# Allegro board hash851-X26_V1_0_180425.brd (continued)
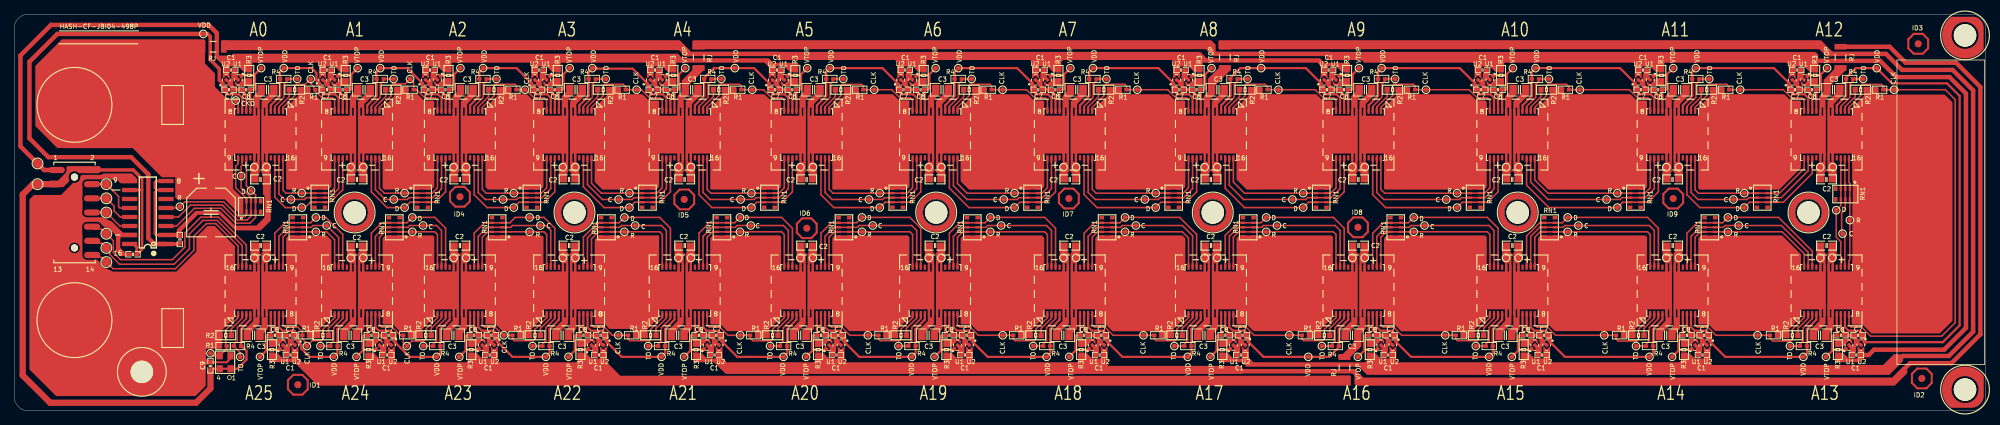
[diagram p0: board, top side]
## Routing (per net, layer and track width the routed paths; a pad name or vN(x,y) marks a point on that pad's centre or on a via; arc(x,y) is an arc through that point) (continued)
CI_A13: length 25.2
  TOP w0.229: 236.43,20.78 236.43,24.64 237.7,25.91 RN1_A14.3 RN1_A14.8 241,25.91 241.25,26.16 C_A14.1 249.18,26.16 252.95,22.38 252.95,20.78
  TOP w0.325: 236.43,20.78 A8_A14.10 ; 252.95,20.78 A8_A13.15
CI_A14: length 27.9
  TOP w0.229: 213.83,20.78 213.83,24.64 215.1,25.91 RN1_A15.3 RN1_A15.8 218.4,25.91 218.65,26.16 C_A15.1 230.55,26.16 231.25,25.46 231.25,20.78
  TOP w0.325: 213.83,20.78 A8_A15.10 ; A8_A14.15 231.25,20.78
CI_A15: length 27
  TOP w0.229: 208.65,20.78 208.65,25.46 207.95,26.16 C_A16.1 196.96,26.16 196.7,25.91 RN1_A16.8 RN1_A16.3 193.4,25.91 192.13,24.64 192.13,20.78
  TOP w0.325: 192.13,20.78 A8_A16.10 ; 208.65,20.78 A8_A15.15
CI_A16: length 26.1
  TOP w0.229: 171.33,20.78 171.33,24.64 172.6,25.91 RN1_A17.3 RN1_A17.8 175.9,25.91 176.15,26.16 C_A17.1 186.25,26.16 186.95,25.46 186.95,20.78
  TOP w0.325: 171.33,20.78 A8_A17.10 ; 186.95,20.78 A8_A16.15
CI_A17: length 24.8
  TOP w0.229: 166.15,20.78 166.15,24.72 164.71,26.16 C_A18.1 156.25,26.16 156,25.91 RN1_A18.8 RN1_A18.3 152.7,25.91 151.43,24.64 151.43,20.78
  TOP w0.325: 151.43,20.78 A8_A18.10 ; A8_A17.15 166.15,20.78
CI_A18: length 24.3
  TOP w0.229: 146.25,20.78 146.25,25.46 145.55,26.16 C_A19.1 137.25,26.16 137,25.91 RN1_A19.8 RN1_A19.3 133.7,25.91 132.43,24.64 132.43,20.78
  TOP w0.325: A8_A18.15 146.25,20.78 ; 132.43,20.78 A8_A19.10
CI_A19: length 23.4
  TOP w0.229: 127.25,20.78 127.25,25.46 126.55,26.16 C_A20.1 119.15,26.16 118.9,25.91 RN1_A20.8 RN1_A20.3 115.6,25.91 114.33,24.64 114.33,20.78
  TOP w0.325: 127.25,20.78 A8_A19.15 ; 114.33,20.78 A8_A20.10
CI_A20: length 22.5
  TOP w0.229: 109.15,20.78 109.15,25.46 108.45,26.16 C_A21.1 101.96,26.16 101.7,25.91 RN1_A21.8 RN1_A21.3 98.4,25.91 97.13,24.64 97.13,20.78
  TOP w0.325: 109.15,20.78 A8_A20.15 ; 97.13,20.78 A8_A21.10
CI_A21: length 21.5
  TOP w0.229: 80.83,20.78 80.83,24.43 82.31,25.91 RN1_A22.3 RN1_A22.8 85.4,25.91 85.65,26.16 C_A22.1 91.25,26.16 91.95,25.46 91.95,20.78
  TOP w0.325: A8_A21.15 91.95,20.78 ; 80.83,20.78 A8_A22.10
CI_A22: length 20.7
  TOP w0.229: 75.65,20.78 75.65,25.46 74.95,26.16 C_A23.1 70.25,26.16 70,25.91 RN1_A23.8 RN1_A23.3 66.7,25.91 65.43,24.64 65.43,20.78
  TOP w0.325: A8_A22.15 75.65,20.78 ; 65.43,20.78 A8_A23.10
CI_A23: length 19.8
  TOP w0.229: 50.93,20.78 50.93,24.64 52.2,25.91 RN1_A24.3 RN1_A24.8 55.5,25.91 55.75,26.16 C_A24.1 59.55,26.16 60.25,25.46 60.25,20.78
  TOP w0.325: 50.93,20.78 A8_A24.10 ; 60.25,20.78 A8_A23.15
CI_A24: length 18.3
  TOP w0.229: 45.75,20.78 45.75,24.47 C_A25.1 42.15,26.16 41.9,25.91 RN1_A25.8 RN1_A25.3 38.6,25.91 37.33,24.64 37.33,20.78
  TOP w0.325: 37.33,20.78 A8_A25.10 ; 45.75,20.78 A8_A24.15
CKI_A0: length 13.8
  TOP w0.229: 37.9,42.72 37.9,42.84 39.55,44.49 39.55,45.83 39.8,46.08 41.04,46.08 CLK_A1.1 41.82,46.18 42.24,45.76 42.24,45.55 R1_A0.2 42.45,45.13 43.4,44.18 44.85,44.18 45.18,43.85 45.18,42.81
  TOP w0.325: 37.9,42.72 A8_A0.1 ; A8_A1.8 45.18,42.81
CKI_A1: length 14.7
  TOP w0.229: 51.5,42.72 51.5,42.84 53.15,44.49 53.15,45.92 53.39,46.16 55.12,46.16 CLK_A2.1 56.33,46.35 R1_A1.2 56.75,45.33 57.9,44.18 59.35,44.18 59.68,43.85 59.68,42.81
  TOP w0.325: 51.5,42.72 A8_A1.1 ; A8_A2.8 59.68,42.81
CKI_A2: length 14.7
  TOP w0.229: 75.08,42.81 75.08,43.85 74.75,44.18 73.3,44.18 72.15,45.33 CLK_A3.1 R1_A2.2 70.83,45.85 70.57,46.1 67.81,46.1 67.65,45.95 67.65,44.49 66,42.84 66,42.72
  TOP w0.325: A8_A3.8 75.08,42.81 ; A8_A2.1 66,42.72
CKI_A3: length 15.4
  TOP w0.229: 91.38,42.81 91.38,43.85 91.05,44.18 89.6,44.18 88.45,45.33 CLK_A4.1 R1_A3.2 86.23,45.72 85.85,46.1 83.3,46.1 83.05,45.85 83.05,44.49 81.4,42.84 81.4,42.72
  TOP w0.325: A8_A3.1 81.4,42.72 ; A8_A4.8 91.38,42.81
CKI_A4: length 16.4
  TOP w0.229: 97.71,42.72 97.71,42.84 99.35,44.49 99.35,45.9 99.56,46.1 102.28,46.1 102.53,45.85 R1_A4.2 CLK_A5.1 105.65,45.33 106.8,44.18 108.25,44.18 108.58,43.85 108.58,42.81
  TOP w0.325: A8_A5.8 108.58,42.81 ; A8_A4.1 97.71,42.72
CKI_A5: length 17.3
  TOP w0.229: 126.68,42.81 126.68,43.85 126.35,44.18 124.9,44.18 123.75,45.33 CLK_A6.1 R1_A5.2 119.73,45.85 119.49,46.08 116.8,46.08 116.55,45.83 116.55,44.49 114.91,42.84 114.91,42.72
  TOP w0.325: A8_A6.8 126.68,42.81 ; A8_A5.1 114.91,42.72
CKI_A6: length 18.2
  TOP w0.229: 133.01,42.72 133.01,42.84 134.65,44.49 134.65,45.89 134.86,46.1 137.57,46.1 137.83,45.85 R1_A6.2 CLK_A7.1 142.75,45.33 143.9,44.18 145.35,44.18 145.68,43.85 145.68,42.81
  TOP w0.325: A8_A7.8 145.68,42.81 ; A8_A6.1 133.01,42.72
CKI_A7: length 19.1
  TOP w0.229: 165.58,42.81 165.58,43.85 165.25,44.18 163.8,44.18 162.65,45.33 CLK_A8.1 R1_A7.2 156.83,45.85 156.57,46.1 153.91,46.1 153.65,45.84 153.65,44.49 152.01,42.84 152.01,42.72
  TOP w0.325: A8_A8.8 165.58,42.81 ; 152.01,42.72 A8_A7.1
CKI_A8: length 20
  TOP w0.229: 171.9,42.72 171.9,42.84 173.55,44.49 173.55,45.93 173.73,46.1 176.35,46.1 176.73,45.72 R1_A8.2 CLK_A9.1 183.45,45.33 184.6,44.18 186.05,44.18 186.38,43.85 186.38,42.81
  TOP w0.325: A8_A9.8 186.38,42.81 ; 171.9,42.72 A8_A8.1
CKI_A9: length 20.9
  TOP w0.229: 208.08,42.81 208.08,43.85 207.75,44.18 206.3,44.18 205.15,45.33 CLK_A10.1 R1_A9.2 197.53,45.85 197.28,46.1 194.55,46.1 194.35,45.9 194.35,44.49 192.71,42.84 192.71,42.72
  TOP w0.325: 192.71,42.72 A8_A9.1 ; A8_A10.8 208.08,42.81
CKI_A10: length 21.7
  TOP w0.229: 214.4,42.72 214.4,42.84 216.05,44.49 216.05,45.88 216.27,46.1 218.85,46.1 219.23,45.72 R1_A10.2 CLK_A11.1 227.75,45.33 228.9,44.18 230.35,44.18 230.68,43.85 230.68,42.81
  TOP w0.325: A8_A10.1 214.4,42.72 ; A8_A11.8 230.68,42.81
CKI_A11: length 20.8
  TOP w0.229: 252.38,42.81 252.38,43.85 252.05,44.18 250.6,44.18 249.45,45.33 CLK_A12.1 R1_A11.2 241.83,45.72 241.45,46.1 238.88,46.1 238.65,45.88 238.65,44.49 237,42.84 237,42.72
  TOP w0.325: A8_A12.8 252.38,42.81 ; A8_A11.1 237,42.72
CKI_A12: length 68.3
  TOP w0.229: 258.7,42.72 258.7,42.84 260.4,44.54 260.4,45.88 260.6,46.08 263.29,46.08 263.53,45.85 R1_A12.2 CLK_A13.1 272.29,45.33 273.68,43.94 273.68,12.45 271.78,10.55 261.76,10.55 260.49,11.82 259.03,11.82 258.7,12.15 258.7,13.19
  TOP w0.325: 258.7,42.72 A8_A12.1 ; 258.7,13.19 A8_A13.8
CKI_A13: length 20.9
  TOP w0.229: 252.38,13.28 252.38,13.16 250.73,11.51 250.73,10.11 250.48,9.86 247.95,9.86 247.55,10.25 R1_A13.2 CLK_A14.1 239.94,10.67 238.79,11.82 237.33,11.82 237,12.15 237,13.19
  TOP w0.325: A8_A14.8 237,13.19 ; 252.38,13.28 A8_A13.1
CKI_A14: length 21.9
  TOP w0.229: 214.4,13.19 214.4,12.15 214.73,11.82 216.19,11.82 217.34,10.67 CLK_A15.1 R1_A14.2 225.85,10.15 226.15,9.86 228.78,9.86 229.03,10.11 229.03,11.51 230.68,13.16 230.68,13.28
  TOP w0.325: A8_A15.8 214.4,13.19 ; 230.68,13.28 A8_A14.1
CKI_A15: length 21
  TOP w0.229: 208.08,13.28 208.08,13.16 206.43,11.51 206.43,10.03 206.3,9.91 203.5,9.91 203.25,10.15 R1_A15.2 CLK_A16.1 195.64,10.67 194.49,11.82 193.03,11.82 192.7,12.15 192.7,13.19
  TOP w0.325: 208.08,13.28 A8_A15.1 ; A8_A16.8 192.7,13.19
CKI_A16: length 20
  TOP w0.229: 171.9,13.19 171.9,12.15 172.23,11.82 173.69,11.82 174.84,10.67 CLK_A17.1 R1_A16.2 181.56,10.15 181.79,9.92 184.48,9.92 184.73,10.17 184.73,11.51 186.38,13.16 186.38,13.28
  TOP w0.325: A8_A16.1 186.38,13.28 ; A8_A17.8 171.9,13.19
CKI_A17: length 19.1
  TOP w0.229: 152,13.19 152,12.15 152.33,11.82 153.79,11.82 154.94,10.67 CLK_A18.1 R1_A17.2 160.75,10.15 160.99,9.92 163.68,9.92 163.93,10.17 163.93,11.51 165.58,13.16 165.58,13.28
  TOP w0.325: 165.58,13.28 A8_A17.1 ; A8_A18.8 152,13.19
CKI_A18: length 18.2
  TOP w0.229: 145.68,13.28 145.68,13.16 144.06,11.54 144.06,10.13 143.83,9.91 141.1,9.91 140.85,10.15 R1_A18.2 CLK_A19.1 135.94,10.67 134.79,11.82 133.33,11.82 133,12.15 133,13.19
  TOP w0.325: 145.68,13.28 A8_A18.1 ; A8_A19.8 133,13.19
CKI_A19: length 17.3
  TOP w0.229: 114.9,13.19 114.9,12.15 115.23,11.82 116.69,11.82 117.84,10.67 CLK_A20.1 R1_A19.2 121.85,10.15 122.1,9.91 124.85,9.91 125.03,10.08 125.03,11.51 126.68,13.16 126.68,13.28
  TOP w0.325: 126.68,13.28 A8_A19.1 ; A8_A20.8 114.9,13.19
CKI_A20: length 16.3
  TOP w0.229: 108.58,13.28 108.58,13.16 106.93,11.51 106.93,10.13 106.68,9.88 104.16,9.88 103.75,10.28 R1_A20.2 CLK_A21.1 100.64,10.67 99.49,11.82 98.03,11.82 97.7,12.15 97.7,13.19
  TOP w0.325: A8_A21.8 97.7,13.19 ; 108.58,13.28 A8_A20.1
CKI_A21: length 15.6
  TOP w0.229: 81.4,13.19 81.4,12.15 81.73,11.82 83.19,11.82 84.34,10.67 CLK_A22.1 R1_A21.2 86.56,10.13 86.78,9.91 89.6,9.91 89.73,10.03 89.73,11.51 91.38,13.16 91.38,13.28
  TOP w0.325: A8_A22.8 81.4,13.19 ; 91.38,13.28 A8_A21.1
CKI_A22: length 14.6
  TOP w0.229: 75.08,13.28 75.08,13.16 73.43,11.51 73.43,10.16 73.18,9.91 70.5,9.91 70.25,10.15 R1_A22.2 CLK_A23.1 68.94,10.67 67.79,11.82 66.33,11.82 66,12.15 66,13.19
  TOP w0.325: 75.08,13.28 A8_A22.1 ; A8_A23.8 66,13.19
CKI_A23: length 14.6
  TOP w0.229: 59.68,13.28 59.68,13.16 58.03,11.51 58.03,10.17 57.7,9.84 56.06,9.84 CLK_A24.1 54.85,9.65 R1_A23.2 54.44,10.67 53.29,11.82 51.83,11.82 51.5,12.15 51.5,13.19
  TOP w0.325: 59.68,13.28 A8_A23.1 ; A8_A24.8 51.5,13.19
CKI_A24: length 13.9
  TOP w0.229: 37.9,13.19 37.9,12.15 38.23,11.82 39.99,11.82 40.63,11.18 R1_A24.2 40.63,10.15 41.01,9.77 41.01,9.4 CLK_A25.1 42.04,9.92 43.28,9.92 43.31,9.94 43.31,9.94 43.53,10.16 43.53,11.51 45.18,13.16 45.18,13.28
  TOP w0.325: A8_A24.1 45.18,13.28 ; A8_A25.8 37.9,13.19
CKI_A25: length 8.6
  TOP w0.229: CLK.1 28.03,7.77 OSC.3 29.96,8.76 R1_A25.2 29.84,9.27 29.84,11.42 31.58,13.16 31.58,13.28
  TOP w0.325: A8_A25.1 31.58,13.28
CKO_A0: length 1.7
  TOP w0.229: 31.58,42.81 31.58,43.47 CLK_A0.1
  TOP w0.325: 31.58,42.81 A8_A0.8
CO: length 6.8
  TOP w0.229: U3.13 14.98,27.36 14.98,27.35 14.09,28.24 14.09,28.91 CO.1 J1.6
CO_A0: length 22.7
  TOP w0.229: U3.4 23.16,27.36 24.84,29.04 29.35,29.04 31.45,26.95 32.85,26.95 33.39,27.49 RN1_A0.8 RN1_A0.3 33.39,30.1 31.99,31.5 C_A0.1 31.99,34.51 32.15,34.67 32.15,35.22
  TOP w0.325: A8_A0.10 32.15,35.22
DI: length 33.1
  TOP w0.229: J1.10 11.3,25.67 12.33,25.67 DI.1 13.99,24.01 13.99,22.33 14.97,21.34 22.3,21.34 24.07,23.11 24.07,25.1 26.32,27.34 28.81,27.34 32.73,23.42 32.73,20.78
  TOP w0.325: A8_A25.14 32.73,20.78
DI_A0: length 21.3
  TOP w0.229: 36.75,35.22 36.75,30.17 38.22,28.7 D_A1.1 41.02,28.7 41.77,29.45 RN1_A1.9 RN1_A1.2 44.56,29.45 46.33,31.23 46.33,35.22
  TOP w0.325: A8_A0.14 36.75,35.22 ; A8_A1.11 46.33,35.22
DI_A1: length 21.9
  TOP w0.229: 50.35,35.22 50.35,30.91 52.57,28.7 D_A2.1 55.8,29.45 RN1_A2.9 RN1_A2.2 59.36,29.45 60.83,30.92 60.83,35.22
  TOP w0.325: 60.83,35.22 A8_A2.11 ; 50.35,35.22 A8_A1.14
DI_A2: length 23.1
  TOP w0.229: 76.23,35.22 76.23,30.92 74.76,29.45 RN1_A3.2 RN1_A3.9 71.2,29.45 D_A3.1 66.67,28.7 64.85,30.51 64.85,35.22
  TOP w0.325: 64.85,35.22 A8_A2.14 ; 76.23,35.22 A8_A3.11
DI_A3: length 23.3
  TOP w0.229: 92.53,35.22 92.53,30.92 91.06,29.45 RN1_A4.2 RN1_A4.9 87.51,29.45 D_A4.1 83.18,28.7 80.25,31.62 80.25,35.22
  TOP w0.325: 92.53,35.22 A8_A4.11 ; 80.25,35.22 A8_A3.14
DI_A4: length 24.9
  TOP w0.229: 109.73,35.22 109.73,30.92 108.26,29.45 RN1_A5.2 RN1_A5.9 104.7,29.45 D_A5.1 98.37,28.7 96.55,30.51 96.55,35.22
  TOP w0.325: 109.73,35.22 A8_A5.11 ; A8_A4.14 96.55,35.22
DI_A5: length 25.8
  TOP w0.229: 127.83,35.22 127.83,30.92 126.36,29.45 RN1_A6.2 RN1_A6.9 122.8,29.45 D_A6.1 115.57,28.7 113.75,30.51 113.75,35.22
  TOP w0.325: 127.83,35.22 A8_A6.11 ; A8_A5.14 113.75,35.22
DI_A6: length 26.1
  TOP w0.229: 131.85,35.22 131.85,31.45 134.61,28.7 D_A7.1 141.8,29.45 RN1_A7.9 RN1_A7.2 145.36,29.45 146.83,30.92 146.83,35.22
  TOP w0.325: A8_A6.14 131.85,35.22 ; 146.83,35.22 A8_A7.11
DI_A7: length 27.6
  TOP w0.229: 166.73,35.22 166.73,30.92 165.26,29.45 RN1_A8.2 RN1_A8.9 161.7,29.45 D_A8.1 152.67,28.7 150.85,30.51 150.85,35.22
  TOP w0.325: 166.73,35.22 A8_A8.11 ; 150.85,35.22 A8_A7.14
DI_A8: length 27.9
  TOP w0.229: 187.53,35.22 187.53,30.92 186.06,29.45 RN1_A9.2 RN1_A9.9 182.51,29.45 D_A9.1 173.47,28.7 170.75,31.41 170.75,35.22
  TOP w0.325: 170.75,35.22 A8_A8.14 ; 187.53,35.22 A8_A9.11
DI_A9: length 29.4
  TOP w0.229: 209.23,35.22 209.23,30.92 207.76,29.45 RN1_A10.2 RN1_A10.9 204.2,29.45 D_A10.1 193.37,28.7 191.55,30.51 191.55,35.22
  TOP w0.325: A8_A9.14 191.55,35.22 ; 209.23,35.22 A8_A10.11
DI_A10: length 29.5
  TOP w0.229: 231.83,35.22 231.83,30.92 230.36,29.45 RN1_A11.2 RN1_A11.9 226.8,29.45 D_A11.1 216.4,28.7 213.25,31.84 213.25,35.22
  TOP w0.325: 231.83,35.22 A8_A11.11 ; 213.25,35.22 A8_A10.14
DI_A11: length 27.8
  TOP w0.229: 235.85,35.22 235.85,30.51 237.67,28.7 D_A12.1 244.69,29.45 RN1_A12.9 RN1_A12.2 249.45,29.45 253.53,33.53 253.53,35.22
  TOP w0.325: A8_A12.11 253.53,35.22 ; 235.85,35.22 A8_A11.14
DI_A12: length 16
  TOP w0.229: 257.55,35.22 RN1_A13.9 RN1_A13.2 257.55,28.96 D_A13.1 256.91,24.51 257.55,23.87 257.55,20.78
  TOP w0.325: A8_A13.11 257.55,20.78 ; A8_A12.14 257.55,35.22
DI_A13: length 27.7
  TOP w0.229: 253.53,20.78 253.53,22.56 248.78,27.3 D_A14.1 240.88,26.55 RN1_A14.9 RN1_A14.2 237.32,26.55 235.85,25.08 235.85,20.78
  TOP w0.325: 235.85,20.78 A8_A14.11 ; 253.53,20.78 A8_A13.14
DI_A14: length 30.2
  TOP w0.229: 213.25,20.78 213.25,24.71 215.09,26.55 RN1_A15.2 RN1_A15.9 218.28,26.55 D_A15.1 230.31,27.3 231.83,25.78 231.83,20.78
  TOP w0.325: A8_A14.14 231.83,20.78 ; 213.25,20.78 A8_A15.11
DI_A15: length 29.5
  TOP w0.229: 191.55,20.78 191.55,25.08 193.02,26.55 RN1_A16.2 RN1_A16.9 196.58,26.55 D_A16.1 207.71,27.3 209.23,25.78 209.23,20.78
  TOP w0.325: 209.23,20.78 A8_A15.14 ; 191.55,20.78 A8_A16.11
DI_A16: length 28.5
  TOP w0.229: 187.53,20.78 187.53,25.78 186.01,27.3 D_A17.1 175.78,26.55 RN1_A17.9 RN1_A17.2 172.53,26.55 170.75,24.77 170.75,20.78
  TOP w0.325: A8_A16.14 187.53,20.78 ; 170.75,20.78 A8_A17.11
DI_A17: length 27.2
  TOP w0.229: 166.73,20.78 166.73,24.9 164.33,27.3 D_A18.1 155.88,26.55 RN1_A18.9 RN1_A18.2 152.32,26.55 150.85,25.08 150.85,20.78
  TOP w0.325: 150.85,20.78 A8_A18.11 ; 166.73,20.78 A8_A17.14
DI_A18: length 26.8
  TOP w0.229: 131.85,20.78 131.85,25.08 133.32,26.55 RN1_A19.2 RN1_A19.9 136.88,26.55 D_A19.1 145.31,27.3 146.83,25.78 146.83,20.78
  TOP w0.325: 131.85,20.78 A8_A19.11 ; A8_A18.14 146.83,20.78
DI_A19: length 25.9
  TOP w0.229: 113.75,20.78 113.75,25.08 115.22,26.55 RN1_A20.2 RN1_A20.9 118.78,26.55 D_A20.1 126.31,27.3 127.83,25.78 127.83,20.78
  TOP w0.325: 127.83,20.78 A8_A19.14 ; 113.75,20.78 A8_A20.11
DI_A20: length 25
  TOP w0.229: 96.55,20.78 96.55,25.08 98.02,26.55 RN1_A21.2 RN1_A21.9 101.58,26.55 D_A21.1 108.21,27.3 109.73,25.78 109.73,20.78
  TOP w0.325: 109.73,20.78 A8_A20.14 ; 96.55,20.78 A8_A21.11
DI_A21: length 23.8
  TOP w0.229: 80.25,20.78 80.25,24.54 82.26,26.55 RN1_A22.2 RN1_A22.9 85.28,26.55 D_A22.1 91.01,27.3 92.53,25.78 92.53,20.78
  TOP w0.325: 80.25,20.78 A8_A22.11 ; A8_A21.14 92.53,20.78
DI_A22: length 23.2
  TOP w0.229: 64.85,20.78 64.85,25.08 66.32,26.55 RN1_A23.2 RN1_A23.9 69.88,26.55 70.64,27.3 D_A23.1 74.71,27.3 76.23,25.78 76.23,20.78
  TOP w0.325: 64.85,20.78 A8_A23.11 ; A8_A22.14 76.23,20.78
DI_A23: length 22.3
  TOP w0.229: 50.35,20.78 50.35,25.08 51.82,26.55 RN1_A24.2 RN1_A24.9 55.38,26.55 D_A24.1 59.31,27.3 60.83,25.78 60.83,20.78
  TOP w0.325: A8_A23.14 60.83,20.78 ; 50.35,20.78 A8_A24.11
DI_A24: length 20.9
  TOP w0.229: 46.33,20.78 46.33,24.91 43.93,27.3 D_A25.1 41.78,26.55 RN1_A25.9 RN1_A25.2 38.22,26.55 36.75,25.08 36.75,20.78
  TOP w0.325: 46.33,20.78 A8_A24.14 ; 36.75,20.78 A8_A25.11
DO: length 6.1
  TOP w0.229: J1.8 DO.1 14.9,26.09 U3.14
DO_A0: length 23.8
  TOP w0.229: 32.73,35.22 32.73,35.18 32.74,35.18 32.74,31.77 D_A0.1 34.03,30.47 RN1_A0.2 RN1_A0.9 34.03,27.28 33.25,26.5 31.26,26.5 29.16,28.59 25.4,28.59 22.91,26.09 U3.3
  TOP w0.325: 32.73,35.22 A8_A0.11
LDO_VCC_A6: length 12.6
  TOP w0.635: 95.03,50.39 107.58,50.39
LDO_VCC_A10: length 89.1
  TOP w0.635: 254.03,49.41 263.09,49.41 265.38,47.12 272.88,47.12 275.2,44.79 275.2,11.71 272.13,8.64 262.25,8.64 261.48,7.87 260.59,7.87 ; 168.89,50.79 169.28,50.39 185.41,50.39
  TOP w0.762: 253.99,49.4 254.02,49.43 254.03,49.41
LDO_VCC_A14: length 68.5
  TOP w0.635: 265.92,7.36 266.31,7.75 272.79,7.75 276.22,11.18 276.22,45.24 273.32,48.13 266.18,48.13 263.92,50.39 256.17,50.39 255.91,50.66
LDO_VCC_A18: length 86.9
  TOP w0.635: 189.7,4.72 188.84,5.59 172.91,5.59 ; 266.53,5.93 267.33,6.73 273.17,6.73 277.23,10.79 277.23,45.72 273.8,49.15 266.69,49.15 264.44,51.4 RJ2.1
NETA8_A0_2: length 3.7
  TOP w0.229: R2_A0.1 38.78,44.36 37.33,42.91 37.33,42.76
  TOP w0.325: 37.33,42.76 A8_A0.2
NETA8_A0_3: length 6.7
  TOP w0.229: TO_A0.1 R4_A0.2 38.5,46.6 38.02,46.12 38.02,44.25 36.75,42.98 36.75,42.84
  TOP w0.325: A8_A0.3 36.75,42.84
NETA8_A0_5: length 8.7
  TOP w0.325: 32.35,47.36 33.8,47.36 ; 33.8,47.36 VTOP_A0.1 ; 33.8,47.36 33.94,47.23 33.94,45.49 33.78,45.33 C8_A0.2 33.3,45.25 A8_A0.5
NETA8_A1_2: length 3.7
  TOP w0.229: 50.93,42.76 50.93,42.91 52.38,44.36 R2_A1.1
  TOP w0.325: 50.93,42.76 A8_A1.2
NETA8_A1_3: length 6.7
  TOP w0.229: TO_A1.1 R4_A1.2 52.1,46.6 51.62,46.12 51.62,44.25 50.35,42.98 50.35,42.84
  TOP w0.325: 50.35,42.84 A8_A1.3
NETA8_A1_5: length 8.7
  TOP w0.325: A8_A1.5 46.9,45.25 C8_A1.2 47.38,45.33 47.54,45.49 47.54,47.23 47.4,47.36 ; 47.4,47.36 45.95,47.36 ; 47.4,47.36 VTOP_A1.1
NETA8_A2_2: length 3.7
  TOP w0.229: R2_A2.1 66.88,44.36 65.43,42.91 65.43,42.76
  TOP w0.325: 65.43,42.76 A8_A2.2
NETA8_A2_3: length 6.7
  TOP w0.229: 64.85,42.84 64.85,42.98 66.12,44.25 66.12,46.12 66.6,46.6 R4_A2.2 TO_A2.1
  TOP w0.325: 64.85,42.84 A8_A2.3
NETA8_A2_5: length 8.7
  TOP w0.325: 61.9,47.36 62.04,47.23 62.04,45.49 61.88,45.33 C8_A2.2 61.4,45.25 A8_A2.5 ; 61.9,47.36 VTOP_A2.1 ; 61.9,47.36 60.45,47.36
NETA8_A3_2: length 3.7
  TOP w0.229: R2_A3.1 82.28,44.36 80.83,42.91 80.83,42.76
  TOP w0.325: 80.83,42.76 A8_A3.2
NETA8_A3_3: length 6.7
  TOP w0.229: TO_A3.1 R4_A3.2 82,46.6 81.52,46.12 81.52,44.25 80.25,42.98 80.25,42.84
  TOP w0.325: A8_A3.3 80.25,42.84
NETA8_A3_5: length 8.7
  TOP w0.325: 77.3,47.36 77.44,47.23 77.44,45.49 77.28,45.33 C8_A3.2 76.8,45.25 A8_A3.5 ; 77.3,47.36 75.85,47.36 ; 77.3,47.36 VTOP_A3.1
NETA8_A4_2: length 3.7
  TOP w0.229: R2_A4.1 98.58,44.36 97.13,42.91 97.13,42.76
  TOP w0.325: A8_A4.2 97.13,42.76
NETA8_A4_3: length 6.7
  TOP w0.229: 96.55,42.84 96.55,42.98 97.82,44.25 97.82,46.12 98.31,46.6 R4_A4.2 TO_A4.1
  TOP w0.325: A8_A4.3 96.55,42.84
NETA8_A4_5: length 8.7
  TOP w0.325: 92.15,47.36 93.6,47.36 ; 93.6,47.36 93.74,47.23 93.74,45.49 93.58,45.33 C8_A4.2 93.1,45.25 A8_A4.5 ; 93.6,47.36 VTOP_A4.1
NETA8_A5_2: length 3.7
  TOP w0.229: R2_A5.1 115.78,44.36 114.33,42.91 114.33,42.76
  TOP w0.325: A8_A5.2 114.33,42.76
NETA8_A5_3: length 6.7
  TOP w0.229: TO_A5.1 R4_A5.2 115.5,46.6 115.02,46.12 115.02,44.25 113.75,42.98 113.75,42.84
  TOP w0.325: A8_A5.3 113.75,42.84
NETA8_A5_5: length 8.7
  TOP w0.325: 109.35,47.36 110.8,47.36 ; 110.8,47.36 VTOP_A5.1 ; 110.8,47.36 110.94,47.23 110.94,45.49 110.78,45.33 C8_A5.2 110.3,45.25 A8_A5.5
NETA8_A6_2: length 3.7
  TOP w0.229: R2_A6.1 133.88,44.36 132.43,42.91 132.43,42.76
  TOP w0.325: A8_A6.2 132.43,42.76
NETA8_A6_3: length 6.7
  TOP w0.229: 131.85,42.84 131.85,42.98 133.12,44.25 133.12,46.12 133.61,46.6 R4_A6.2 TO_A6.1
  TOP w0.325: A8_A6.3 131.85,42.84
NETA8_A6_5: length 8.7
  TOP w0.325: 127.45,47.36 128.9,47.36 ; 128.9,47.36 VTOP_A6.1 ; 128.9,47.36 129.04,47.23 129.04,45.49 128.88,45.33 C8_A6.2 128.4,45.25 A8_A6.5
NETA8_A7_2: length 3.7
  TOP w0.229: 151.43,42.76 151.43,42.91 152.88,44.36 R2_A7.1
  TOP w0.325: A8_A7.2 151.43,42.76
NETA8_A7_3: length 6.7
  TOP w0.229: 150.85,42.84 150.85,42.98 152.12,44.25 152.12,46.12 152.6,46.6 R4_A7.2 TO_A7.1
  TOP w0.325: A8_A7.3 150.85,42.84
NETA8_A7_5: length 8.7
  TOP w0.325: 147.9,47.36 148.04,47.23 148.04,45.49 147.88,45.33 C8_A7.2 147.4,45.25 A8_A7.5 ; 147.9,47.36 VTOP_A7.1 ; 147.9,47.36 146.45,47.36
NETA8_A8_2: length 3.7
  TOP w0.229: R2_A8.1 172.78,44.36 171.33,42.91 171.33,42.76
  TOP w0.325: A8_A8.2 171.33,42.76
NETA8_A8_3: length 6.7
  TOP w0.229: TO_A8.1 R4_A8.2 172.5,46.6 172.02,46.12 172.02,44.25 170.75,42.98 170.75,42.84
  TOP w0.325: A8_A8.3 170.75,42.84
NETA8_A8_5: length 8.7
  TOP w0.325: 167.8,47.36 VTOP_A8.1 ; 167.8,47.36 167.94,47.23 167.94,45.49 167.78,45.33 C8_A8.2 167.3,45.25 A8_A8.5 ; 167.8,47.36 166.35,47.36
NETA8_A9_2: length 3.7
  TOP w0.229: 192.13,42.76 192.13,42.91 193.58,44.36 R2_A9.1
  TOP w0.325: A8_A9.2 192.13,42.76
NETA8_A9_3: length 6.7
  TOP w0.229: TO_A9.1 R4_A9.2 193.31,46.6 192.82,46.12 192.82,44.25 191.55,42.98 191.55,42.84
  TOP w0.325: A8_A9.3 191.55,42.84
NETA8_A9_5: length 8.7
  TOP w0.325: 188.6,47.36 VTOP_A9.1 ; 188.6,47.36 187.15,47.36 ; 188.6,47.36 188.74,47.23 188.74,45.49 188.58,45.33 C8_A9.2 188.1,45.25 A8_A9.5
NETA8_A10_2: length 3.7
  TOP w0.229: R2_A10.1 215.28,44.36 213.83,42.91 213.83,42.76
  TOP w0.325: A8_A10.2 213.83,42.76
NETA8_A10_3: length 6.7
  TOP w0.229: 213.25,42.84 213.25,42.98 214.52,44.25 214.52,46.12 215,46.6 R4_A10.2 TO_A10.1
  TOP w0.325: A8_A10.3 213.25,42.84
NETA8_A10_5: length 8.7
  TOP w0.325: 208.85,47.36 210.3,47.36 ; 210.3,47.36 VTOP_A10.1 ; 210.3,47.36 210.44,47.23 210.44,45.49 210.28,45.33 C8_A10.2 209.8,45.25 A8_A10.5
NETA8_A11_2: length 3.7
  TOP w0.229: 236.43,42.76 236.43,42.91 237.88,44.36 R2_A11.1
  TOP w0.325: A8_A11.2 236.43,42.76
NETA8_A11_3: length 6.7
  TOP w0.229: 235.85,42.84 235.85,42.98 237.12,44.25 237.12,46.12 237.6,46.6 R4_A11.2 TO_A11.1
  TOP w0.325: A8_A11.3 235.85,42.84
NETA8_A11_5: length 8.7
  TOP w0.325: 232.9,47.36 VTOP_A11.1 ; 232.9,47.36 231.45,47.36 ; 232.9,47.36 233.04,47.23 233.04,45.49 232.88,45.33 C8_A11.2 232.4,45.25 A8_A11.5
NETA8_A12_2: length 3.7
  TOP w0.229: 258.13,42.76 258.13,42.91 259.58,44.36 R2_A12.1
  TOP w0.325: A8_A12.2 258.13,42.76
NETA8_A12_3: length 6.7
  TOP w0.229: 257.55,42.84 257.55,42.98 258.82,44.25 258.82,46.12 259.3,46.6 R4_A12.2 TO_A12.1
  TOP w0.325: A8_A12.3 257.55,42.84
NETA8_A12_5: length 8.7
  TOP w0.325: 254.6,47.36 254.74,47.23 254.74,45.49 254.58,45.33 C8_A12.2 254.1,45.25 A8_A12.5 ; 254.6,47.36 VTOP_A12.1 ; 254.6,47.36 253.15,47.36
NETA8_A13_2: length 3.7
  TOP w0.229: 252.95,13.24 252.95,13.09 251.5,11.64 R2_A13.1
  TOP w0.325: 252.95,13.24 A8_A13.2
NETA8_A13_3: length 6.7
  TOP w0.229: TO_A13.1 R4_A13.2 251.78,9.4 252.26,9.88 252.26,11.75 253.53,13.02 253.53,13.16
  TOP w0.325: 253.53,13.16 A8_A13.3
NETA8_A13_5: length 8.6
  TOP w0.325: 256.48,8.64 VTOP_A13.1 ; 256.48,8.64 257.83,8.64 ; 256.48,8.64 256.34,8.77 256.34,10.51 256.5,10.67 C8_A13.2 256.98,10.75 A8_A13.5
NETA8_A14_2: length 3.7
  TOP w0.229: 231.25,13.24 231.25,13.09 229.8,11.64 R2_A14.1
  TOP w0.325: A8_A14.2 231.25,13.24
NETA8_A14_3: length 6.7
  TOP w0.229: TO_A14.1 R4_A14.2 230.08,9.4 230.56,9.88 230.56,11.75 231.83,13.02 231.83,13.16
  TOP w0.325: A8_A14.3 231.83,13.16
NETA8_A14_5: length 8.6
  TOP w0.325: 234.78,8.64 234.64,8.77 234.64,10.51 234.8,10.67 C8_A14.2 235.28,10.75 A8_A14.5 ; 234.78,8.64 236.13,8.64 ; 234.78,8.64 VTOP_A14.1
NETA8_A15_2: length 3.7
  TOP w0.229: 208.65,13.24 208.65,13.09 207.2,11.64 R2_A15.1
  TOP w0.325: 208.65,13.24 A8_A15.2
NETA8_A15_3: length 6.7
  TOP w0.229: 209.23,13.16 209.23,13.02 207.96,11.75 207.96,9.88 207.48,9.4 R4_A15.2 TO_A15.1
  TOP w0.325: 209.23,13.16 A8_A15.3
NETA8_A15_5: length 8.6
  TOP w0.325: 212.18,8.64 212.04,8.77 212.04,10.51 212.2,10.67 C8_A15.2 212.68,10.75 A8_A15.5 ; 212.18,8.64 VTOP_A15.1 ; 212.18,8.64 213.53,8.64
NETA8_A16_2: length 3.7
  TOP w0.229: R2_A16.1 185.5,11.64 186.95,13.09 186.95,13.24
  TOP w0.325: A8_A16.2 186.95,13.24
NETA8_A16_3: length 6.7
  TOP w0.229: TO_A16.1 R4_A16.2 185.78,9.4 186.26,9.88 186.26,11.75 187.53,13.02 187.53,13.16
  TOP w0.325: 187.53,13.16 A8_A16.3
NETA8_A16_5: length 8.6
  TOP w0.325: 190.48,8.64 191.83,8.64 ; 190.48,8.64 190.34,8.77 190.34,10.51 190.5,10.67 C8_A16.2 190.98,10.75 A8_A16.5 ; 190.48,8.64 VTOP_A16.1
NETA8_A17_2: length 3.7
  TOP w0.229: 166.15,13.24 166.15,13.09 164.7,11.64 R2_A17.1
  TOP w0.325: 166.15,13.24 A8_A17.2
NETA8_A17_3: length 6.7
  TOP w0.229: TO_A17.1 R4_A17.2 164.98,9.4 165.46,9.88 165.46,11.75 166.73,13.02 166.73,13.16
  TOP w0.325: A8_A17.3 166.73,13.16
NETA8_A17_5: length 8.6
  TOP w0.325: A8_A17.5 170.18,10.75 C8_A17.2 169.7,10.67 169.54,10.51 169.54,8.77 169.68,8.64 ; 169.68,8.64 171.03,8.64 ; 169.68,8.64 VTOP_A17.1
NETA8_A18_2: length 3.7
  TOP w0.229: 146.25,13.24 146.25,13.09 144.8,11.64 R2_A18.1
  TOP w0.325: 146.25,13.24 A8_A18.2
NETA8_A18_3: length 6.7
  TOP w0.229: 146.83,13.16 146.83,13.02 145.56,11.75 145.56,9.88 145.08,9.4 R4_A18.2 TO_A18.1
  TOP w0.325: A8_A18.3 146.83,13.16
NETA8_A18_5: length 8.6
  TOP w0.325: 149.78,8.64 151.13,8.64 ; 149.78,8.64 149.64,8.77 149.64,10.51 149.8,10.67 C8_A18.2 150.28,10.75 A8_A18.5 ; 149.78,8.64 VTOP_A18.1
NETA8_A19_2: length 3.7
  TOP w0.229: 127.25,13.24 127.25,13.09 125.8,11.64 R2_A19.1
  TOP w0.325: A8_A19.2 127.25,13.24